# KiCad board FC_V5c.kicad_pcb (continued)
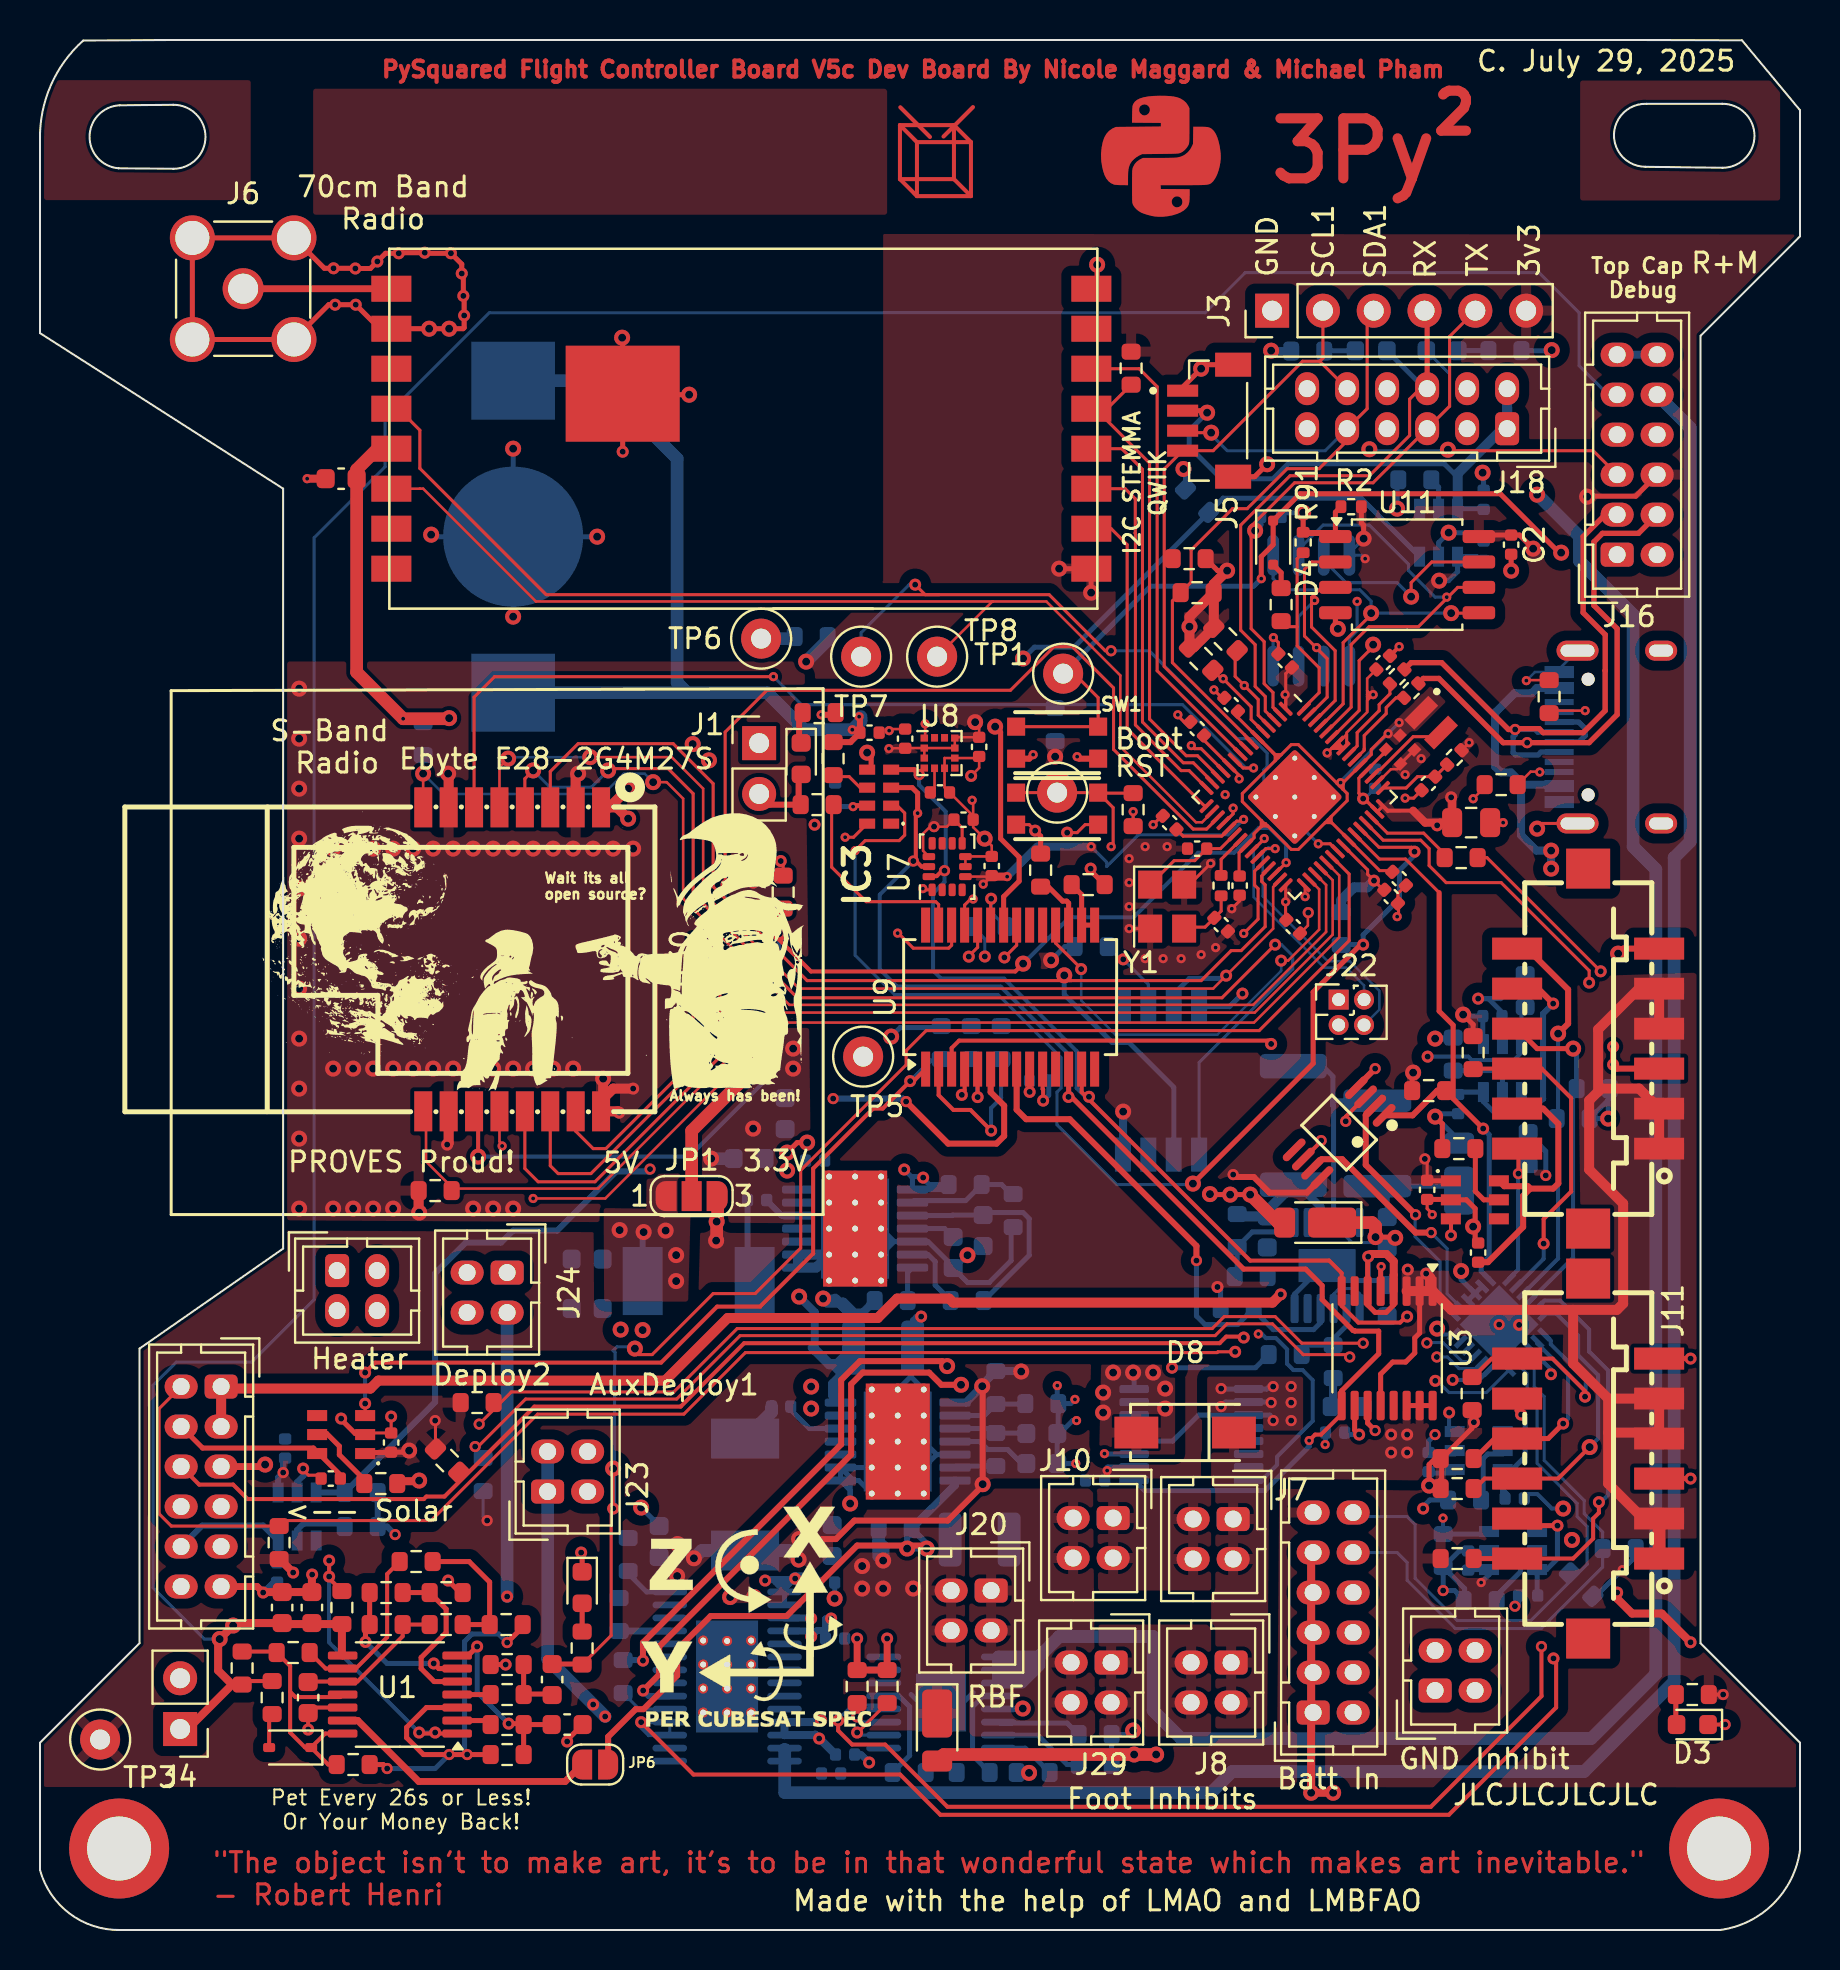
[diagram p0: board, top side]
## Text on the board (continued)
Top: PySquared Flight Controller Board V5c Dev Board By Nicole Maggard & Michael Pham | {dblquote}The object isn't to make art, it's to be in that wonderful state which makes art inevitable.{dblquote} / - Robert Henri | 2 | 3Py
F.Mask: PySquared Flight Controller Board V5c Dev Board By Nicole Maggard & Michael Pham | {dblquote}The object isn't to make art, it's to be in that wonderful state which makes art inevitable.{dblquote} / - Robert Henri | 2 | 3Py
F.Silkscreen: Wait its all / open source? | Always has been! | Pet Every 26s or Less! / Or Your Money Back! | Top Cap / Debug | I2C STEMMA / QWIIK | <-- Solar | PROVES Proud! | Heater | Ebyte E28-2G4M27S | Deploy2 | AuxDeploy1 | 5V | 3.3V | Made with the help of LMAO and LMBFAO | RBF | Foot Inhibits | Boot | RST | Batt In | GND Inhibit | JLCJLCJLCJLC | C. July 29, 2025 | S-Band / Radio | 70cm Band / Radio | R+M | GND | SCL1 | SDA1 | RX | TX | 3v3
